# KiCad board aronia.kicad_pcb
title: aronia; date: 2024-08-28; rev: 1; company: Sergei Silnov <po@kumekay.com>
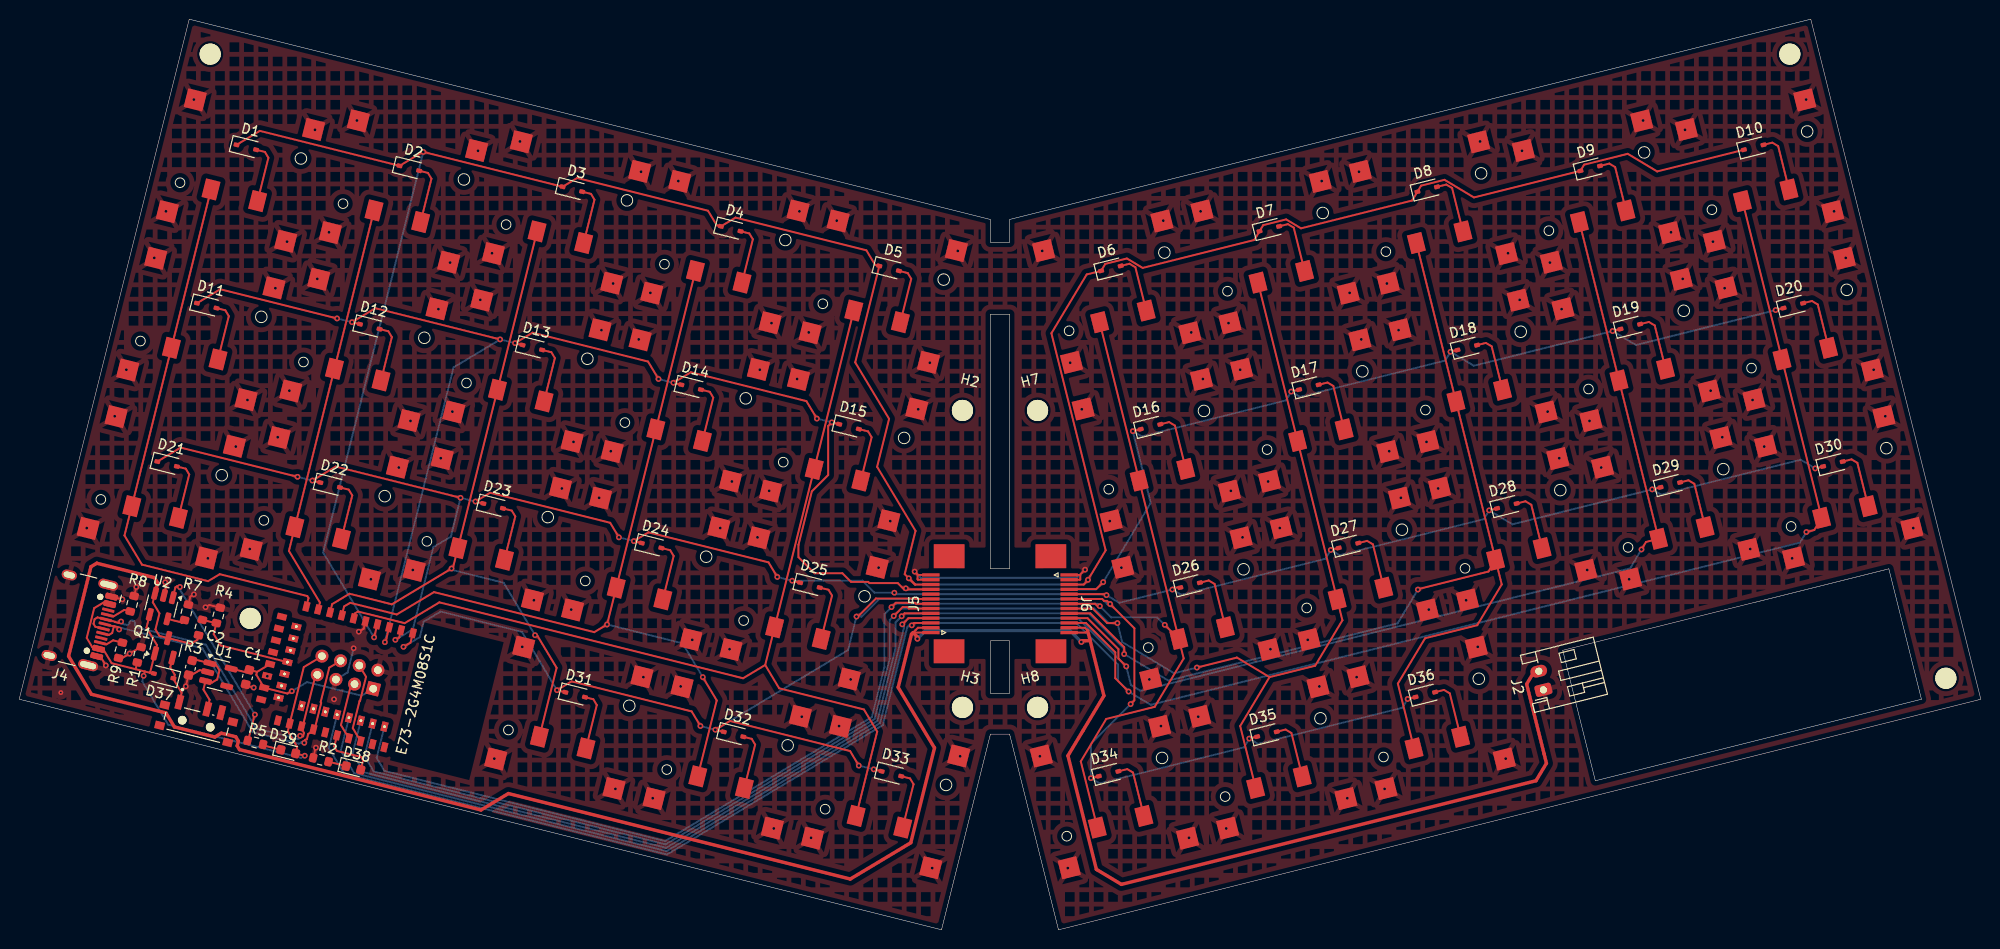
[diagram p0: board, top side]
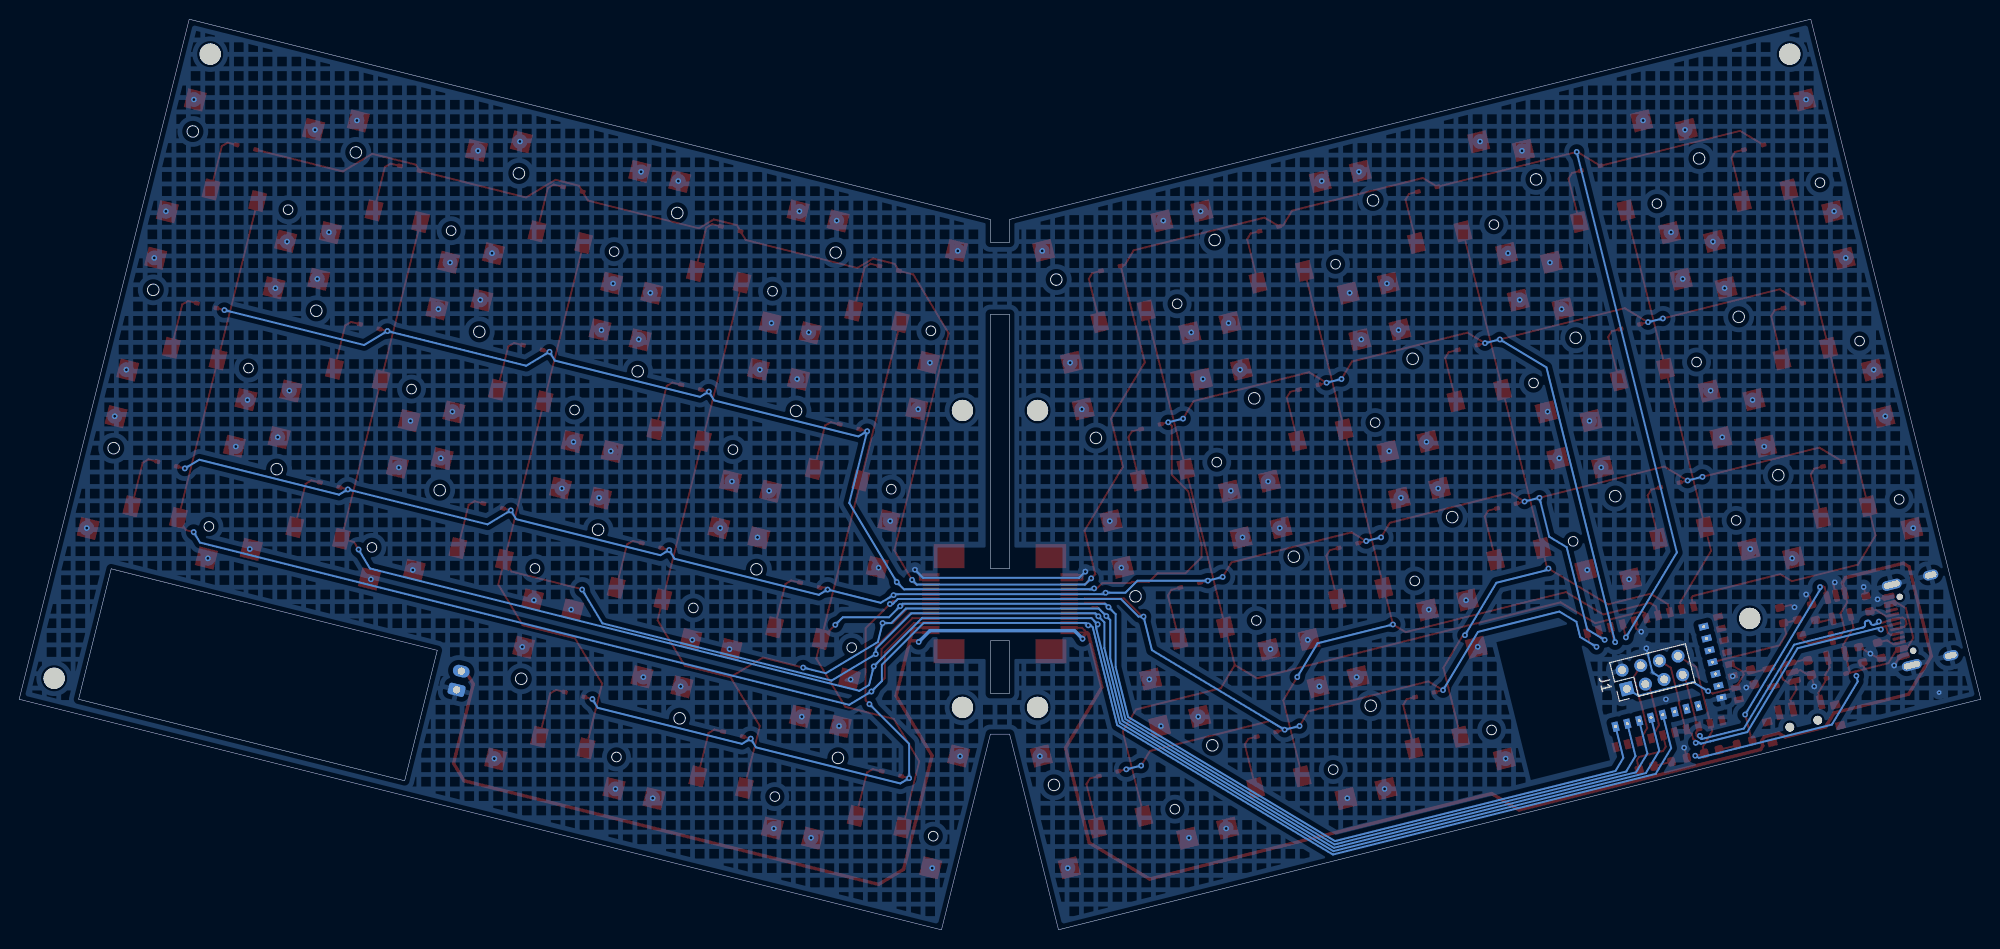
[diagram p1: board, bottom side, seen from below]

Outline 204.27 x 94.83 mm; copper layers: Top, Bottom. Coordinates in mm from the lower left corner of the outline.
Outline path: 101.14,30.11 103.14,30.11 103.14,24.61 101.14,24.61 closed ; 0,24.01 17.71,94.83 101.14,73.97 101.14,71.61 103.14,71.61 103.14,73.97 186.57,94.83 204.27,24.01 108.23,0 103.14,20.37 101.14,20.37 96.04,0 0,24.01 ; 101.14,64.11 101.14,37.61 103.14,37.61 103.14,64.11 101.14,64.11 ; 160.74,29.1 194.69,37.59 198.09,24.01 164.14,15.52 160.74,29.1
Stack: Top 0.035mm / dielectric 1.51mm FR4 er 4.5 / Bottom 0.035mm

## Placement (name value [footprint] x y rotation side)
C1  10uF  [C_0603_1608Metric]  23.77 26.32 256 top
C2  10uF  [C_0603_1608Metric]  17.83 27.29 256 top
D1  D  [D_SOD-323]  23.65 81.49 346 top
D2  D  [D_SOD-323]  40.62 79.31 346 top
D3  D  [D_SOD-323]  57.6 77.13 346 top
D4  D  [D_SOD-323]  74.09 73 346 top
D5  D  [D_SOD-323]  90.59 68.88 346 top
D6  D  [D_SOD-323]  113.69 68.88 14 top
D7  D  [D_SOD-323]  130.18 73 14 top
D8  D  [D_SOD-323]  146.62 77.11 14 top
D9  D  [D_SOD-323]  163.6 79.3 14 top
D10  D  [D_SOD-323]  180.63 81.49 14 top
D11  D  [D_SOD-323]  19.52 65 346 top
D12  D  [D_SOD-323]  36.5 62.82 346 top
D13  D  [D_SOD-323]  53.43 60.65 346 top
D14  D  [D_SOD-323]  69.97 56.51 346 top
D15  D  [D_SOD-323]  86.42 52.4 346 top
D16  D  [D_SOD-323]  117.81 52.39 14 top
D17  D  [D_SOD-323]  134.3 56.51 14 top
D18  D  [D_SOD-323]  150.8 60.63 14 top
D19  D  [D_SOD-323]  167.77 62.82 14 top
D20  D  [D_SOD-323]  184.75 65 14 top
D21  D  [D_SOD-323]  15.4 48.51 346 top
D22  D  [D_SOD-323]  32.38 46.32 346 top
D23  D  [D_SOD-323]  49.36 44.14 346 top
D24  D  [D_SOD-323]  65.85 40.02 346 top
D25  D  [D_SOD-323]  82.34 35.9 346 top
D26  D  [D_SOD-323]  121.93 35.9 14 top
D27  D  [D_SOD-323]  138.43 40.02 14 top
D28  D  [D_SOD-323]  154.92 44.14 14 top
D29  D  [D_SOD-323]  171.94 46.34 14 top
D30  D  [D_SOD-323]  188.87 48.51 14 top
D31  D  [D_SOD-323]  57.89 24.48 346 top
D32  D  [D_SOD-323]  74.39 20.36 346 top
D33  D  [D_SOD-323]  90.83 16.25 346 top
D34  D  [D_SOD-323]  113.45 16.25 14 top
D35  D  [D_SOD-323]  129.94 20.37 14 top
D36  D  [D_SOD-323]  146.43 24.5 14 top
D37  1N5819  [D_SOD-323]  15.04 26.44 166 top
D38  AMBER  [LED_0603_1608Metric]  34.8 16.86 346 top
D39  PURPLE  [LED_0603_1608Metric]  28.01 18.55 346 top
H1  MountingHole  [MountingHole_2.2mm_M2]  19.89 91.19 346 top
H2  MountingHole  [MountingHole_2.2mm_M2]  98.23 54.09 346 top
H3  MountingHole  [MountingHole_2.2mm_M2]  98.23 23.16 346 top
H5  MountingHole  [MountingHole_2.2mm_M2]  24.06 32.43 346 top
H6  MountingHole  [MountingHole_2.2mm_M2]  184.39 91.19 14 top
H7  MountingHole  [MountingHole_2.2mm_M2]  106.05 54.09 14 top
H8  MountingHole  [MountingHole_2.2mm_M2]  106.05 23.16 14 top
H10  MountingHole  [MountingHole_2.2mm_M2]  200.64 26.19 14 top
J1  Conn_02x04_Top_Bottom  [PinHeader_2x04_P2.00mm_Vertical]  36.87 25.1 76 bottom
J2  Conn_01x02  [JST_PH_S2B-PH-K_1x02_P2.00mm_Horizontal]  158.73 24.99 104 top
J4  USB_C_Receptacle_USB2.0_16P  [USB_C_Receptacle_HCTL_HC-TYPE-C-16P-01A]  5.21 32.5 256 top
J5  Conn_01x13  [hanxia-HX0.5-13P-CTXJ-H2.0-119]  96.29 33.95 90 top
J6  Conn_01x13  [hanxia-HX0.5-13P-CTXJ-H2.0-119]  107.99 33.95 270 top
Q1  AO3407  [SOT-23]  15.28 29.47 76 top
R1  100K  [R_0603_1608Metric]  12.5 28.64 76 top
R2  1K  [R_0603_1608Metric]  31.41 17.71 166 top
R3  820K  [R_0603_1608Metric]  18.88 31.48 76 top
R4  2M  [R_0603_1608Metric]  20.74 32.74 76 top
R5  1K  [R_0603_1608Metric]  24.59 19.51 166 top
R7  10K  [R_0603_1608Metric]  17.41 33.06 76 top
R8  5.1K  [R_0603_1608Metric]  11.76 33.95 76 top
R9  5.1K  [R_0603_1608Metric]  10.55 29.1 256 top
SW1  SW_Push  [CPG1316S01D02]  23.04 79.07 346 top
SW2  SW_Push  [CPG1316S01D02]  40.02 76.88 346 top
SW3  SW_Push  [CPG1316S01D02]  57 74.7 346 top
SW4  SW_Push  [CPG1316S01D02]  73.49 70.58 346 top
SW5  SW_Push  [CPG1316S01D02]  89.98 66.45 346 top
SW6  SW_Push  [CPG1316S01D02]  114.29 66.45 14 top
SW7  SW_Push  [CPG1316S01D02]  130.79 70.58 14 top
SW8  SW_Push  [CPG1316S01D02]  147.28 74.7 14 top
SW9  SW_Push  [CPG1316S01D02]  164.26 76.88 14 top
SW10  SW_Push  [CPG1316S01D02]  181.23 79.07 14 top
SW11  SW_Push  [CPG1316S01D02]  18.92 62.57 346 top
SW12  SW_Push  [CPG1316S01D02]  35.9 60.39 346 top
SW13  SW_Push  [CPG1316S01D02]  52.87 58.21 346 top
SW14  SW_Push  [CPG1316S01D02]  69.37 54.09 346 top
SW15  SW_Push  [CPG1316S01D02]  85.86 49.96 346 top
SW16  SW_Push  [CPG1316S01D02]  118.42 49.96 14 top
SW17  SW_Push  [CPG1316S01D02]  134.91 54.09 14 top
SW18  SW_Push  [CPG1316S01D02]  151.4 58.21 14 top
SW19  SW_Push  [CPG1316S01D02]  168.38 60.39 14 top
SW20  SW_Push  [CPG1316S01D02]  185.36 62.57 14 top
SW21  SW_Push  [CPG1316S01D02]  14.79 46.08 346 top
SW22  SW_Push  [CPG1316S01D02]  31.77 43.9 346 top
SW23  SW_Push  [CPG1316S01D02]  48.75 41.72 346 top
SW24  SW_Push  [CPG1316S01D02]  65.24 37.59 346 top
SW25  SW_Push  [CPG1316S01D02]  81.73 33.47 346 top
SW26  SW_Push  [CPG1316S01D02]  122.54 33.47 14 top
SW27  SW_Push  [CPG1316S01D02]  139.03 37.59 14 top
SW28  SW_Push  [CPG1316S01D02]  155.53 41.72 14 top
SW29  SW_Push  [CPG1316S01D02]  172.5 43.9 14 top
SW30  SW_Push  [CPG1316S01D02]  189.48 46.08 14 top
SW31  SW_Push  [CPG1316S01D02]  57.24 22.07 346 top
SW32  SW_Push  [CPG1316S01D02]  73.73 17.95 346 top
SW33  SW_Push  [CPG1316S01D02]  90.22 13.82 346 top
SW34  SW_Push  [CPG1316S01D02]  114.05 13.82 14 top
SW35  SW_Push  [CPG1316S01D02]  130.54 17.95 14 top
SW36  SW_Push  [CPG1316S01D02]  147.04 22.07 14 top
SW37  SW_SPST  [SW_SSSS811101]  18.43 21.46 346 top
U1  XC6220  [SOT-23-5]  20.74 26.56 346 top
U2  TP4054  [SOT-23-5]  14.79 33.71 256 top
U3  E73-2G4M08S1C  [E73-2G4M08S1C-52840]  25.9 28.36 346 top

## Library data of the parts
C1 C2 = -: Description: Unpolarized capacitor; LCSC: C7107636; ki_fp_filters: C_*
D1-D36 = -: Sim.Pins: 1=K 2=A; LCSC: C191023; ki_fp_filters: TO-???* *_Diode_* *SingleDiode* D_*
D37 = -: LCSC: C191023; ki_fp_filters: D*SOD?123*
D38 = -: LCSC: C7371907; ki_fp_filters: LED* LED_SMD:* LED_THT:*
D39 = -: LCSC: C7371898; ki_fp_filters: LED* LED_SMD:* LED_THT:*
H1-H3 H5-H8 H10 = -: Description: Mounting Hole without connection; ki_fp_filters: MountingHole*
J1 = -: Description: Generic connector, double row, 02x04, top/bottom pin numbering scheme (row 1: 1...pins_per_row, row2: pins_per_row+1 ... num_pins), script generated (kicad-library-utils/schlib/autogen/connector/); ki_fp_filters: Connector*:*_2x??_*
J2 = -: ki_fp_filters: Connector*:*_1x??_*
J4 = -: Datasheet: https://www.usb.org/sites/default/files/documents/usb_type-c.zip; Description: USB 2.0-only 16P Type-C Receptacle connector; LCSC: C393939; ki_fp_filters: USB*C*Receptacle*
J5 J6 = -: Description: Generic connector, single row, 01x13, script generated (kicad-library-utils/schlib/autogen/connector/); LCSC: C5691137; ki_fp_filters: Connector*:*_1x??_*
Q1 = -: LCSC: C347478; ki_fp_filters: SOT?23*
R1 = -: LCSC: C25803; ki_fp_filters: R_* R_*
R2 R5 = -: LCSC: C21190; ki_fp_filters: R_* R_*
R3 = -: LCSC: C23252; ki_fp_filters: R_*
R4 = -: LCSC: C22976; ki_fp_filters: R_*
R7 = -: LCSC: C25804; ki_fp_filters: R_* R_*
R8 R9 = -: LCSC: C23186; ki_fp_filters: R_*
SW37 = -: Description: Switch, single pole double throw; LCSC: C109335
U1 = -: Datasheet: https://www.torexsemi.com/file/xc6220/XC6220.pdf; Description: 1A, Low Drop-out Voltage Regulator, Fixed Output 3.3V, SOT-23-5; LCSC: C86534; ki_fp_filters: SOT?23*
U2 = -: Datasheet: http://ww1.microchip.com/downloads/en/DeviceDoc/20001984g.pdf; LCSC: C668215; ki_fp_filters: SOT?23*
U3 = -: LCSC: C356849

## Footprints (pads in the part's own frame, mm; a bottom-side part is the same pattern mirrored in y, then rotated)
C_0603_1608Metric
  rrect 0.9x0.95 smd: 1(-0.775,0) 2(0.775,0)
CPG1316S01D02
  rect 1.55x2 smd: 1(-2.5,-2.65) 2(2.5,-2.65)
  rect 2x2 smd: 3(-6.35,6) 3(-6.35,-6) 3(6.35,6) 3(6.35,-6)
D_SOD-323
  rrect 0.6x0.45 smd: 1(-1.05,0) 2(1.05,0)
E73-2G4M08S1C-52840
  rect 0.65x1 smd: 1(14.03,6.119) 2(12.76,6.119) 3(11.49,6.119) 4(10.22,6.119) 5(8.95,6.119) 6(7.68,6.119) 7(6.41,6.119) 8(5.14,6.119) 9(3.87,6.119) 10(2.6,6.119) 26(2.6,-6.119) 27(3.87,-6.119) 29(5.14,-6.119) 31(6.41,-6.119) 33(7.68,-6.119) 35(8.95,-6.119) 37(10.22,-6.119) 39(11.49,-6.119) 41(12.76,-6.119) 43(14.03,-6.119)
  rect 1x0.65 smd: 11(0.381,4.47) 13(0.381,3.2) 15(0.381,1.93) 17(0.381,0.66) 19(0.381,-0.61) 21(0.381,-1.88) 23(0.381,-3.15) 25(0.381,-4.42)
  rect 1x0.65 hole 0.3: 12(2.092,3.833) 14(2.092,2.563) 16(2.092,1.293) 18(2.092,0.023) 20(2.092,-1.247) 22(2.092,-2.517) 24(2.092,-3.787)
  rect 0.65x1 hole 0.3: 28(4.632,-4.041) 30(5.902,-4.041) 32(7.172,-4.041) 34(8.442,-4.041) 36(9.712,-4.041) 38(10.982,-4.041) 40(12.252,-4.041) 42(13.522,-4.041)
hanxia-HX0.5-13P-CTXJ-H2.0-119
  rect 0.35x1.8 smd: 1(-3,1.35) 2(-2.5,1.35) 3(-2,1.35) 4(-1.5,1.35) 5(-1,1.35) 6(-0.5,1.35) 7(0,1.35) 8(0.5,1.35) 9(1,1.35) 10(1.5,1.35) 11(2,1.35) 12(2.5,1.35) 13(3,1.35)
  rect 2.5x3.2 smd: MP(-4.95,-0.55) MP(4.95,-0.55)
JST_PH_S2B-PH-K_1x02_P2.00mm_Horizontal
  rrect 1.2x1.75 hole 0.75: 1(0,0)
  oval 1.2x1.75 hole 0.75: 2(2,0)
LED_0603_1608Metric
  rrect 0.875x0.95 smd: 1(-0.787,0) 2(0.787,0)
MountingHole_2.2mm_M2
  round 2.2 hole 2.2 unplated: (0,0)
PinHeader_2x04_P2.00mm_Vertical
  rect 1.35x1.35 hole 0.8: 1(0,0)
  oval 1.35x1.35 hole 0.8: 2(2,0) 3(0,-2) 4(2,-2) 5(0,-4) 6(2,-4) 7(0,-6) 8(2,-6)
R_0603_1608Metric
  rrect 0.8x0.95 smd: 1(-0.825,0) 2(0.825,0)
SOT-23
  rrect 1.475x0.6 smd: 1(-0.938,0.95) 2(-0.938,-0.95) 3(0.938,0)
SOT-23-5
  rrect 1.325x0.6 smd: 1(-1.137,0.95) 2(-1.137,0) 3(-1.137,-0.95) 4(1.137,-0.95) 5(1.137,0.95)
SW_SSSS811101
  round 0.9 hole 0.9 unplated: (-1.5,0) (1.5,0)
  rect 0.7x1.5 smd: 1(-2.25,1.75) 2(0.75,1.75) 3(2.25,1.75)
  rect 1x0.8 smd: SH1(-3.65,1.1) SH2(3.65,1.1) SH3(-3.65,-1.1) SH4(3.65,-1.1)
USB_C_Receptacle_HCTL_HC-TYPE-C-16P-01A
  round 0.65 hole 0.65 unplated: (-2.89,2.605) (2.89,2.605)
  rrect 0.6x1.3 smd: A1(-3.2,3.745) A4(-2.4,3.745) A9(2.4,3.745) A12(3.2,3.745) B1(3.2,3.745) B4(2.4,3.745) B9(-2.4,3.745) B12(-3.2,3.745)
  rrect 0.3x1.3 smd: A5(-1.25,3.745) A6(-0.25,3.745) A7(0.25,3.745) A8(1.25,3.745) B5(1.75,3.745) B6(0.75,3.745) B7(-0.75,3.745) B8(-1.75,3.745)
  oval 1x2.1 hole 0.6x1.7: S1(-4.32,3.105) S1(4.32,3.105)
  oval 1x1.6 hole 0.6x1.2: S1(-4.32,-1.075) S1(4.32,-1.075)

## Nets
GND: C1.2 C2.2 J1.2 J1.5 J2.1 J4.A1 J4.A12 J4.B1 J4.B12 J4.S1 J5.12 J5.13 J6.1 J6.2 R1.2 R2.2 R4.2 R7.2 R8.2 R9.2 SW1.3 SW2.3 SW3.3 SW4.3 SW5.3 SW6.3 SW7.3 SW8.3 SW9.3 SW10.3 SW11.3 SW12.3 SW13.3 SW14.3 SW15.3 SW16.3 SW17.3 SW18.3 SW19.3 SW20.3 SW21.3 SW22.3 SW23.3 SW24.3 SW25.3 SW26.3 SW27.3 SW28.3 SW29.3 SW30.3 SW31.3 SW32.3 SW33.3 SW34.3 SW35.3 SW36.3 U1.2 U2.2 U3.5 U3.21 U3.24
VBAT: J2.2 J5.1 J5.2 J6.12 J6.13 Q1.3 R3.1 U2.3
VBUS: D37.2 D39.2 J1.8 J4.A4 J4.A9 J4.B4 J4.B9 Q1.1 R1.1 U2.4 U3.27
/P0.00: U3.11
/P0.01: U3.13
/P0.06: U3.14
/P0.07: U3.22
/P0.08: U3.16
/P0.09: U3.41
/P0.10: U3.43
/P0.12: U3.20
/P0.13: U3.33
/P0.15: U3.28
/P0.17: U3.30
/P0.20: U3.32
/P0.26: U3.12
/P1.09: U3.17
AMBER_LED: D38.2 U3.35
BATTERY_PIN: R3.2 R4.1 U3.18
C0: SW1.1 SW11.1 SW21.1 U3.10
C1: SW2.1 SW12.1 SW22.1 U3.9
C2: SW3.1 SW13.1 SW23.1 SW31.1 U3.8
C3: SW4.1 SW14.1 SW24.1 SW32.1 U3.7
C4: SW5.1 SW15.1 SW25.1 SW33.1 U3.6
C5: J5.7 J6.7 SW6.1 SW16.1 SW26.1 SW34.1 U3.42
C6: J5.6 J6.8 SW7.1 SW17.1 SW27.1 SW35.1 U3.40
C7: J5.5 J6.9 SW8.1 SW18.1 SW28.1 SW36.1 U3.38
C8: J5.4 J6.10 SW9.1 SW19.1 SW29.1 U3.36
C9: J5.3 J6.11 SW10.1 SW20.1 SW30.1 U3.34
CC1: J4.A5 R8.1
CC2: J4.B5 R9.1
DATA+: J1.6 J4.A6 J4.B6 U3.31
DATA-: J1.7 J4.A7 J4.B7 U3.29
DCCH: U3.25
nRF_VDD: C1.1 J1.1 U1.5 U3.19 U3.23
PROG: U3.15
R0: D1.1 D2.1 D3.1 D4.1 D5.1 D6.1 D7.1 D8.1 D9.1 D10.1 J5.11 J6.3 U3.4
R1: D11.1 D12.1 D13.1 D14.1 D15.1 D16.1 D17.1 D18.1 D19.1 D20.1 J5.10 J6.4 U3.3
R2: D21.1 D22.1 D23.1 D24.1 D25.1 D26.1 D27.1 D28.1 D29.1 D30.1 J5.9 J6.5 U3.2
R3: D31.1 D32.1 D33.1 D34.1 D35.1 D36.1 J5.8 J6.6 U3.1
RESET: U3.26
SWC: J1.4 U3.39
SWD: J1.3 U3.37
Net-(D1-A): D1.2 SW1.2
Net-(D2-A): D2.2 SW2.2
Net-(D3-A): D3.2 SW3.2
Net-(D4-A): D4.2 SW4.2
Net-(D5-A): D5.2 SW5.2
Net-(D6-A): D6.2 SW6.2
Net-(D7-A): D7.2 SW7.2
Net-(D8-A): D8.2 SW8.2
Net-(D9-A): D9.2 SW9.2
Net-(D10-A): D10.2 SW10.2
Net-(D11-A): D11.2 SW11.2
Net-(D12-A): D12.2 SW12.2
Net-(D13-A): D13.2 SW13.2
Net-(D14-A): D14.2 SW14.2
Net-(D15-A): D15.2 SW15.2
Net-(D16-A): D16.2 SW16.2
Net-(D17-A): D17.2 SW17.2
Net-(D18-A): D18.2 SW18.2
Net-(D19-A): D19.2 SW19.2
Net-(D20-A): D20.2 SW20.2
Net-(D21-A): D21.2 SW21.2
Net-(D22-A): D22.2 SW22.2
Net-(D23-A): D23.2 SW23.2
Net-(D24-A): D24.2 SW24.2
Net-(D25-A): D25.2 SW25.2
Net-(D26-A): D26.2 SW26.2
Net-(D27-A): D27.2 SW27.2
Net-(D28-A): D28.2 SW28.2
Net-(D29-A): D29.2 SW29.2
Net-(D30-A): D30.2 SW30.2
Net-(D31-A): D31.2 SW31.2
Net-(D32-A): D32.2 SW32.2
Net-(D33-A): D33.2 SW33.2
Net-(D34-A): D34.2 SW34.2
Net-(D35-A): D35.2 SW35.2
Net-(D36-A): D36.2 SW36.2
Net-(D37-K): D37.1 Q1.2 SW37.1
Net-(D38-K): D38.1 R2.1
Net-(D39-K): D39.1 R5.1
Net-(SW37-B): C2.1 SW37.2 U1.1 U1.3
Net-(U2-PROG): R7.1 U2.5
Net-(U2-STAT): R5.2 U2.1

Pads without a net: J4 A8 B8; J5 MP; J6 MP; SW37 3 SH1 SH2 SH3 SH4; U1 4

## Via types
v1: diameter 0.6, hole 0.3, Top to Bottom, 238 vias
v2: diameter 0.5, hole 0.2, Top to Bottom, 1 via

## Routing (per net, layer and track width the routed paths; a pad name or vN(x,y) marks a point on that pad's centre or on a via; arc(x,y) is an arc through that point)
GND: length 49
  Top w0.2: U2.2 15.35,35.94 v1(15.21,36.19) ; v1(17.34,25.34) C2.2 17.86,26.48 18.8,27.04 U1.2 ; J4.A1 v1(10.74,34.42) ; 93.55,37.01 93.6,36.96 J5.13 ; 93.55,37.01 93.55,36.51 93.6,36.46 J5.12 ; 93.55,37.01 v1(93.25,37.31) ; v1(30.9,18.97) 30.87,18.95 R2.2 ; J6.1 110.45,36.96 ; 110.45,36.96 v1(111,37.51) ; 110.45,36.96 110.5,36.91 110.5,36.51 110.45,36.46 J6.2 ; C1.2 23.67,25.41 v1(24.42,25.22) ; v1(35.36,31.04) 35.87,31.35 U3.5 ; v1(9.02,27.53) 8.51,28.38 J4.A12 ; v1(18.19,34.93) 17.83,34.71 R7.2 ; R1.2 12.65,29.46 v1(11.5,28.76) 10.62,28.24 R9.2 ; v1(19.4,33.59) 19.8,33.83 R4.2 ; R8.2 v1(12.2,35.7)
  Top w0.35: SW21.3 v1(19.65,38.68) ; SW21.3 v1(7.03,41.84) ; SW21.3 v1(22.56,50.33) ; SW1.3 v1(27.89,71.67) ; SW11.3 v1(14.07,69.97) ; SW1.3 v1(18.19,86.46) ; SW11.3 v1(11.16,58.33) ; SW1.3 v1(30.8,83.31) ; SW11.3 v1(26.68,66.82) ; SW11.3 v1(23.77,55.18) ; SW1.3 v1(15.28,74.82) ; SW21.3 v1(9.94,53.48)
  Bottom w0.2: v1(111,37.51) 110.15,36.66 93.9,36.66 v1(93.25,37.31) ; J1.5 34.2,26.8 v1(34.83,29.32)
  vias: v1(24.01,39.65) v1(25.84,26.41) v1(26.92,51.3) v1(28.13,56.15) v1(31.04,67.79) v1(32.26,72.64) v1(32.79,24.01) v1(35.17,84.28) v1(36.62,36.5) v1(39.53,48.14) v1(40.75,52.99) v1(40.99,37.47) v1(43.66,64.64) v1(43.9,49.11) v1(44.87,69.49) v1(45.11,53.96) v1(47.78,81.13) v1(48.02,65.61) v1(49.23,70.46) v1(49.48,17.83) v1(52.15,82.1) v1(52.39,29.47) v1(53.6,34.32) v1(56.51,45.96) v1(57.48,33.35) v1(57.72,50.81) v1(60.39,44.99) v1(60.63,62.45) v1(61.6,49.84) v1(61.85,67.3) v1(62.09,14.67) v1(64.51,61.48) v1(64.76,78.95) v1(65,26.32) v1(65.73,66.33) v1(65.97,13.7) v1(68.64,77.98) v1(68.88,25.34) v1(70.09,30.2) v1(73,41.84) v1(73.97,29.23) v1(74.22,46.69) v1(76.88,40.87) v1(77.13,58.33) v1(78.1,45.72) v1(78.34,63.18) v1(78.58,10.55) v1(81.01,57.36) v1(81.25,74.82) v1(81.49,22.19) v1(82.22,62.21) v1(82.46,9.58) v1(85.13,73.85) v1(85.37,21.22) v1(86.59,26.07) v1(89.5,37.71) v1(90.71,42.56) v1(93.62,54.21) v1(94.83,59.06) v1(95.07,6.43) v1(97.74,70.7) v1(97.98,18.07) v1(106.29,18.07) v1(106.53,70.7) v1(109.2,6.43) v1(109.44,59.06) v1(110.66,54.21) v1(113.57,42.56) v1(114.78,37.71) v1(117.69,26.07) v1(118.9,21.22) v1(119.14,73.85) v1(121.81,9.58) v1(122.06,62.21) v1(122.78,22.19) v1(123.03,74.82) v1(123.27,57.36) v1(125.69,10.55) v1(125.94,63.18) v1(126.18,45.72) v1(127.15,58.33) v1(127.39,40.87) v1(130.06,46.69) v1(130.3,29.23) v1(131.27,41.84) v1(134.18,30.2) v1(135.39,25.34) v1(135.64,77.98) v1(138.31,13.7) v1(138.55,66.33) v1(139.28,26.32) v1(139.52,78.95) v1(139.76,61.48) v1(142.19,14.67) v1(142.43,67.3) v1(142.67,49.84) v1(143.64,62.45) v1(143.88,44.99) v1(146.55,50.81) v1(146.79,33.35) v1(147.76,45.96) v1(150.67,34.32) v1(151.89,29.47) v1(152.13,82.1) v1(154.8,17.83) v1(155.04,70.46) v1(156.25,65.61) v1(156.5,81.13) v1(159.16,53.96) v1(159.41,69.49) v1(160.38,49.11) v1(160.62,64.64) v1(163.29,37.47) v1(163.53,52.99) v1(164.74,48.14) v1(167.65,36.5) v1(169.11,84.28) v1(172.02,72.64) v1(173.23,67.79) v1(173.47,83.31) v1(176.14,56.15) v1(176.38,71.67) v1(177.35,51.3) v1(177.6,66.82) v1(180.26,39.65) v1(180.51,55.18) v1(181.72,50.33) v1(184.63,38.68) v1(186.08,86.46) v1(189,74.82) v1(190.21,69.97) v1(193.12,58.33) v1(194.33,53.48) v1(197.24,41.84) v2(4.34,24.71)
VBAT: length 261.6
  Top w0.2: J6.13 111.05,30.96 111.26,31.17 110.97,31.46 J6.12 ; U2.3 13.91,34.1 14.6,32.95 14.19,31.29 14.6,30.6 Q1.3 17.87,29.79 18.55,30.2 R3.1 ; 92.92,30.78 93.59,31.46 J5.2 ; v1(110.61,29.97) 110.74,30.11 ; 93.09,30.95 93.09,30.96 J5.1 ; 93.54,30.51 v1(93.54,30.31)
  Top w0.35: 93.09,30.96 92.92,30.78 91.53,25.25 95.32,18.94 92.85,9.07 86.54,5.29 50.94,14.19 48.09,12.48 22.94,18.77 22.7,19.16 22.82,19.65 22.55,20.1 21.05,20.48 20.37,20.07 16.16,21.13 15.29,22.59 7.52,24.53 5.14,28.5 7.47,37.81 8.08,38.18 14.09,36.67 14.42,36.13 U2.3 ; 110.74,30.11 111.53,30.11 ; 111.53,30.11 111.26,31.17 ; 111.53,30.11 112.96,24.37 109.21,18.13 112.17,6.29 114.78,4.73 157.95,15.52 159.04,17.34 156.98,25.59 157.71,26.8 J2.2 ; 93.09,30.95 93.54,30.51
  Bottom w0.35: v1(110.61,29.97) 109.43,31.16 94.39,31.16 v1(93.54,30.31)
VBUS: length 54.4
  Top w0.2: J1.8 29.64,27.36 U3.27 27.97,20.69 28.95,19.05 D39.2 29.73,18.13 v1(29.74,18.13) ; 12.12,27.14 9.62,27.76 8.8,29.13 J4.A9 7.62,29.43 7.03,30.4 7.81,33.5 8.78,34.08 J4.A4 ; 12.12,27.14 13.07,26.9 ; 12.12,27.14 R1.1 ; 13.61,26.79 13.58,26.78 13.07,26.9 ; 13.61,26.79 13.97,26.7 ; 13.61,26.79 13.64,26.81 Q1.1 14.35,29.65 13.25,31.47 U2.4 ; 13.07,26.9 v1(12.96,26.45)
  Bottom w0.2: v1(12.96,26.45) 12.81,25.87 15.51,21.37 29.36,17.9 v1(29.74,18.13)
AMBER_LED: length 5.8
  Top w0.2: D38.2 35.81,17.65 35.6,18 33.08,18.63 32.81,19.09 U3.35
BATTERY_PIN: length 11.3
  Top w0.2: R3.2 20.51,31.92 R4.1 20.25,30.8 20.96,29.62 U3.18
C0: length 59.8
  Top w0.2: SW1.1 SW11.1 SW21.1 10.96,41.06 12.78,38.03 19.67,36.31 20.88,37.04 30,34.76 30.13,34.55 U3.10
C1: length 43.6
  Top w0.2: SW2.1 SW12.1 SW22.1 28.09,39.46 31.32,34.08 U3.9
C2: length 74.7
  Top w0.2: U3.8 32.59,33.91 34.39,35 38.81,33.89 v1(45.02,37.62) 45.17,37.71 SW23.1 SW13.1 SW3.1 ; v1(53.72,30.68) 53.96,30.62 55.97,27.29 SW31.1
  Bottom w0.2: v1(53.72,30.68) 50.45,36.14 45.11,37.47 v1(45.02,37.62)
C3: length 91.1
  Top w0.2: U3.7 33.83,33.67 34.46,34.05 39.32,32.84 43.2,35.17 59.88,31 v1(61.22,31.8) SW24.1 SW14.1 SW4.1 ; SW32.1 72.64,23.89 v1(71.18,26.32)
  Bottom w0.2: v1(71.18,26.32) 69.07,29.83 v1(61.22,31.8)
C4: length 107.1
  Top w0.2: 77.68,27.58 79.14,25.15 87.97,22.94 89.35,20.64 SW33.1 ; 77.68,27.58 75.38,26.19 43.75,34.1 40.14,31.93 35.29,33.14 34.96,32.95 U3.6 ; 77.68,27.58 SW25.1 SW15.1 SW5.1
C5: length 170.8
  Top w0.2: v1(90.84,33.61) 91.29,34.06 93.3,34.06 93.4,33.96 J5.7 ; SW6.1 SW16.1 SW26.1 ; v1(119.29,31.76) SW26.1 ; SW26.1 121.27,28.26 118.25,23.22 113.2,21.96 110.55,17.54 SW34.1 ; v1(112.54,33.71) 112.43,33.61 112.4,33.61 112.05,33.96 J6.7
  Bottom w0.2: U3.42 37.22,17.91 38.04,16.54 67.26,9.24 88.79,22.16 90.09,27.36 90.09,32.86 v1(90.84,33.61) 91.19,33.96 112.29,33.96 v1(112.54,33.71) 113.7,32.54 118.51,32.54 v1(119.29,31.76)
C6: length 185.7
  Top w0.2: J5.6 92.65,33.46 92.5,33.61 92,33.61 v1(91.07,32.67) ; v1(122.64,27.31) 126.81,28.35 130.2,26.32 ; SW35.1 127.15,21.22 130.2,26.32 ; SW7.1 SW17.1 SW27.1 137.8,32.23 134.96,27.5 130.2,26.32 ; v1(114.37,31.94) 113.3,31.94 111.78,33.46 J6.8
  Bottom w0.2: 36.8,21.47 35.96,18.09 36.92,16.49 67.31,8.89 89.08,21.95 90.65,28.25 90.65,32.26 v1(91.07,32.67) 91.85,33.46 111.94,33.46 113.45,31.94 v1(114.37,31.94) 114.86,29.97 120.27,26.72 v1(122.64,27.31)
C7: length 214.5
  Top w0.2: J6.9 111.55,32.96 115.07,29.43 v1(115.07,28.72) ; SW28.1 153.01,37.31 145.68,35.48 v1(145.65,35.43) ; SW28.1 SW18.1 SW8.1 ; SW28.1 154.39,35.97 151.84,31.72 146.41,30.37 143.57,25.64 SW36.1 ; v1(91.89,32.65) 92.2,32.96 J5.5
  Bottom w0.2: U3.38 34.72,18.37 35.9,16.4 67.36,8.54 89.36,21.74 91.26,29.34 91.26,32.02 v1(91.89,32.65) 92.2,32.96 111.38,32.96 115.07,29.26 v1(115.07,28.72) 119.68,25.95 143.54,31.92 v1(145.65,35.43)
C8: length 208.2
  Top w0.2: v1(91.96,31.81) 92.61,32.46 J5.4 ; SW9.1 SW19.1 SW29.1 169.41,40.39 v1(168.94,39.61) ; J6.10 111.25,32.46 114.47,29.23 114.47,28.25 v1(115.29,27.43)
  Bottom w0.2: v1(168.94,39.61) 167.75,37.63 116.78,24.89 115.77,25.49 v1(115.29,27.43) 110.26,32.46 92.61,32.46 v1(91.96,31.81) 92.14,31.63 92.14,31.49 89.65,21.53 67.41,8.19 34.88,16.32 33.48,18.65 U3.36
C9: length 228.1
  Top w0.2: v1(115.53,24.81) 114.14,26.2 114.14,28.89 111.08,31.96 J6.11 ; v1(92.95,31.71) 93.2,31.96 J5.3 ; SW10.1 SW20.1 SW30.1 186.93,41.63 v1(186.11,41.43)
  Bottom w0.2: U3.34 32.24,18.93 33.85,16.24 67.46,7.84 89.93,21.32 92.48,31.51 92.68,31.71 v1(92.95,31.71) 93.2,31.96 110.09,31.96 114.44,27.61 114.44,25.9 v1(115.53,24.81) 117.84,23.43 185.45,40.33 v1(186.11,41.43)
CC1: length 2.6
  Top w0.2: R8.1 10.93,33.31 9.81,32.64 J4.A5
CC2: length 2.5
  Top w0.2: R9.1 9.78,30.15 9.09,29.73 J4.B5
DATA+: length 38.2
  Top w0.2: 9.85,31.6 J4.A6 8.94,31.85 ; 9.85,31.6 9.68,30.91 9.33,30.7 J4.B6 ; 9.85,31.6 9.88,31.62 10.26,31.52 v1(10.41,31.28) ; v1(29.69,19.47) 29.76,19.75 29.96,19.87 30.09,20.4 30.59,20.7 U3.31 30.78,20.96 31.45,23.63 31.39,23.72 32.29,27.3 J1.6
  Bottom w0.2: v1(29.69,19.47) 29.41,19.54 29.14,19.38 24.32,20.59 19.08,29.32 10.65,31.42 v1(10.41,31.28)
DATA-: length 37
  Top w0.2: J4.B7 8.16,32.54 7.86,32.35 7.74,31.87 7.92,31.57 J4.A7 ; J4.B7 9.98,32.08 9.99,32.05 10.37,31.96 v1(10.61,32.1) ; J4.B7 9.05,32.29 ; v1(29.25,20.2) 29.52,20.14 29.57,20.16 29.66,20.51 29.36,21.01 U3.29 29.54,21.26 30.84,26.43 J1.7
  Bottom w0.2: v1(10.61,32.1) 10.76,31.86 11.18,31.76 arc(11.36,31.78) 11.47,31.93 11.49,32.03 arc(11.6,32.18) 11.78,32.2 11.9,32.17 arc(12.05,32.06) 12.08,31.88 12.05,31.79 arc(12.08,31.6) 12.23,31.49 19.43,29.69 24.67,20.96 29.07,19.86 29.18,19.93 v1(29.25,20.2)
nRF_VDD: length 18.4
  Top w0.2: v1(28.39,24.85) 28.36,24.86 27.93,24.6 U3.23 24.69,26.56 24.77,26.86 ; U1.5 23.56,26.83 C1.1 24.77,26.86 ; 24.77,26.86 U3.19
  Bottom w0.2: J1.1 35.65,24.37 29.97,25.8 v1(28.39,24.85)
R0: length 294.9
  Top w0.2: J6.3 110.86,35.96 111.21,36.31 v1(111.3,36.45) 113.14,39.52 107.49,62.13 111.17,68.25 D6.1 113.11,69.35 115.35,69.91 116.99,68.93 128.61,71.84 D7.1 129.54,73.39 131.93,73.98 133.48,73.05 145.06,75.95 D8.1 145.99,77.5 148.42,78.11 151.49,76.27 D9.1 162.96,79.68 167.51,80.81 170.57,78.98 D10.1 ; 93.29,35.96 93.29,35.96 v1(92.64,36.61) ; 93.29,35.96 92.21,37.04 93.34,41.55 89.34,48.22 90.59,53.21 87.06,59.09 D5.1 89.13,69.24 88.22,70.76 74.59,74.17 D4.1 72.64,73.37 71.73,74.89 58.1,78.29 D3.1 v1(42.08,81.01) 42.03,81.02 D2.1 25.05,83.2 D1.1 ; 93.29,35.96 J5.11 ; v1(36.96,30.45) U3.4
  Bottom w0.2: v1(42.08,81.01) 31.65,39.29 v1(36.96,30.45) ; v1(92.64,36.61) 93.29,35.96 110.81,35.96 v1(111.3,36.45)
R1: length 259
  Top w0.2: 92.14,35.46 92.24,35.46 v1(92.33,35.56) ; 92.14,35.46 92.33,35.46 ; 92.14,35.46 91.49,36.11 88.54,36.11 88.41,36.23 86.62,36.23 85.72,37.13 82.82,37.13 81.15,38.81 81.15,40.09 82.54,45.66 84.25,47.36 84.25,52.47 v1(84.62,52.85) D15.1 ; U3.3 38.15,30 v1(38.08,29.95) ; v1(50.08,61.48) 37.08,64.73 v1(34.66,63.28) D12.1 ; v1(149.05,60.2) D18.1 ; D14.1 v1(68.13,56.97) 69.95,58.06 81.98,55.06 v1(83.07,53.24) ; v1(33.11,63.67) 20.93,66.71 D11.1 ; v1(132.46,56.05) D17.1 ; v1(112.89,36.21) 112.16,35.48 109.36,35.48 J6.4 ; D20.1 v1(182.91,64.54) ; v1(165.93,62.36) D19.1 ; 92.33,35.47 92.35,35.46 J5.10 ; v1(66.58,57.36) 65.48,59.18 53.45,62.19 v1(51.64,61.09) D13.1 ; v1(115.97,51.93) D16.1
  Bottom w0.2: v1(92.33,35.56) 92.43,35.46 112.13,35.46 v1(112.89,36.21) 117.84,44.46 v1(115.97,51.93) 116.88,51.38 131.91,55.14 v1(132.46,56.05) 133.37,55.5 148.5,59.28 v1(149.05,60.2) 151.47,58.74 v1(165.93,62.36) 168.36,60.9 v1(182.91,64.54) ; v1(83.07,53.24) v1(84.62,52.85) ; v1(33.11,63.67) v1(34.66,63.28) ; v1(51.64,61.09) v1(50.08,61.48) 45.23,58.57 v1(38.08,29.95) ; v1(66.58,57.36) v1(68.13,56.97)
R2: length 212.6
  Top w0.2: v1(78.95,36.74) 78.03,38.26 65.52,41.39 v1(64.01,40.48) D24.1 ; v1(62.45,40.87) 61.54,42.39 49.03,45.51 v1(47.51,44.6) D23.1 ; D22.1 v1(30.54,46.79) 32.96,48.24 v1(45.96,44.99) ; v1(28.98,47.17) 16.81,50.22 D21.1 ; v1(136.58,39.56) D27.1 ; v1(113.23,34.85) 113.12,34.96 J6.5 ; v1(170.05,45.86) D29.1 ; v1(39.17,30.2) 39.57,30.44 U3.2 ; v1(80.5,36.36) D25.1 ; v1(153.08,43.68) D28.1 ; D26.1 120.3,35.64 v1(120.09,35.43) ; D30.1 v1(187.03,48.05)
  Bottom w0.2: v1(28.98,47.17) v1(30.54,46.79) ; v1(62.45,40.87) v1(64.01,40.48) ; v1(39.17,30.2) 40.99,31.29 43.13,39.85 44.95,40.94 v1(45.96,44.99) v1(47.51,44.6) ; v1(78.95,36.74) v1(80.5,36.36) 87.82,36.36 89.07,35.11 v1(91.14,35.11) 91.29,34.96 113.12,34.96 v1(113.23,34.85) 114.56,34.05 v1(120.09,35.43) 121,34.89 136.04,38.65 v1(136.58,39.56) 137.5,39.01 152.53,42.77 v1(153.08,43.68) 155.5,42.23 v1(170.05,45.86) 170.97,45.32 185.52,48.95 v1(187.03,48.05)
R3: length 181.1
  Top w0.2: v1(111.6,15.79) D34.1 ; J5.8 93.36,34.46 93.31,34.51 89.22,34.51 87.34,32.62 v1(87.19,32.62) ; v1(87.43,17.1) 86.52,18.62 74.01,21.75 v1(72.49,20.83) D32.1 ; J6.6 112.77,34.46 112.98,34.25 113.28,34.25 v1(113.6,33.93) 116.13,31.4 116.13,23.9 v1(115.74,23.51) ; D36.1 v1(144.59,24.04) ; D31.1 v1(56,24.96) 57.52,25.87 70.03,22.74 v1(70.94,21.22) ; v1(88.99,16.71) D33.1 ; v1(128.09,19.91) D35.1 ; U3.1 40.75,29.9 v1(40.02,29.47)
  Bottom w0.2: v1(40.02,29.47) 41.72,30.49 42.11,32.08 43.88,33.14 52.36,31.02 v1(56,24.96) ; v1(115.74,23.51) 111.6,19.37 v1(111.6,15.79) 112.51,15.24 127.55,19 v1(128.09,19.91) 129.01,19.36 144.04,23.12 v1(144.59,24.04) ; v1(113.6,33.93) 113.3,33.93 112.78,34.46 89.55,34.46 87.72,32.62 v1(87.19,32.62) 86.32,29.13 v1(72.49,20.83) v1(70.94,21.22) ; v1(87.43,17.1) v1(88.99,16.71)
SWC: length 8.5
  Top w0.2: U3.39 34.74,21.01 35.44,23.82 35.5,23.86 36.12,26.35 J1.4
SWD: length 6.2
  Top w0.2: U3.37 33.5,21.32 34.51,25.34 J1.3
Net-(D1-A): length 6.3
  Top w0.2: D1.2 25.59,81.01 25.95,80.4 SW1.2
Net-(D2-A): length 6.3
  Top w0.2: D2.2 42.56,78.82 42.93,78.22 SW2.2
Net-(D3-A): length 6.3
  Top w0.2: D3.2 59.54,76.64 59.91,76.03 SW3.2
Net-(D4-A): length 6.3
  Top w0.2: SW4.2 76.4,71.91 76.03,72.52 D4.2
Net-(D5-A): length 6.3
  Top w0.2: SW5.2 92.89,67.79 92.53,68.4 D5.2
Net-(D6-A): length 6.3
  Top w0.2: SW6.2 116.23,69 115.63,69.37 D6.2
Net-(D7-A): length 6.3
  Top w0.2: SW7.2 132.73,73.12 132.12,73.49 D7.2
Net-(D8-A): length 6.4
  Top w0.2: D8.2 148.61,77.61 149.22,77.25 SW8.2
Net-(D9-A): length 6.4
  Top w0.2: SW9.2 166.2,79.43 165.59,79.79 D9.2
Net-(D10-A): length 6.3
  Top w0.2: SW10.2 183.17,81.61 182.57,81.98 D10.2
Net-(D11-A): length 6.3
  Top w0.2: SW11.2 21.83,63.91 21.46,64.51 D11.2
Net-(D12-A): length 6.3
  Top w0.2: SW12.2 38.81,61.73 38.44,62.33 D12.2
Net-(D13-A): length 6.4
  Top w0.2: D13.2 55.42,60.15 55.78,59.54 SW13.2
Net-(D14-A): length 6.3
  Top w0.2: SW14.2 72.28,55.42 71.91,56.03 D14.2
Net-(D15-A): length 6.4
  Top w0.2: D15.2 88.4,51.9 88.77,51.3 SW15.2
Net-(D16-A): length 6.3
  Top w0.2: D16.2 119.75,52.87 120.36,52.51 SW16.2
Net-(D17-A): length 6.3
  Top w0.2: D17.2 136.24,57 136.85,56.63 SW17.2
Net-(D18-A): length 6.3
  Top w0.2: D18.2 152.74,61.12 153.34,60.76 SW18.2
Net-(D19-A): length 6.3
  Top w0.2: D19.2 169.71,63.3 170.32,62.94 SW19.2
Net-(D20-A): length 6.3
  Top w0.2: D20.2 186.69,65.48 187.3,65.12 SW20.2
Net-(D21-A): length 6.3
  Top w0.2: SW21.2 17.71,47.42 17.34,48.02 D21.2
Net-(D22-A): length 6.3
  Top w0.2: SW22.2 34.68,45.23 34.32,45.84 D22.2
Net-(D23-A): length 6.3
  Top w0.2: SW23.2 51.66,43.05 51.3,43.66 D23.2
Net-(D24-A): length 6.3
  Top w0.2: SW24.2 68.15,38.93 67.79,39.53 D24.2
Net-(D25-A): length 6.3
  Top w0.2: SW25.2 84.64,34.8 84.28,35.41 D25.2
Net-(D26-A): length 6.3
  Top w0.2: SW26.2 124.48,36.02 123.87,36.38 D26.2
Net-(D27-A): length 6.3
  Top w0.2: D27.2 140.37,40.5 140.97,40.14 SW27.2
Net-(D28-A): length 6.3
  Top w0.2: SW28.2 157.47,44.26 156.86,44.63 D28.2
Net-(D29-A): length 6.3
  Top w0.2: D29.2 173.84,46.81 174.44,46.45 SW29.2
Net-(D30-A): length 6.3
  Top w0.2: D30.2 190.81,48.99 191.42,48.63 SW30.2
Net-(D31-A): length 6.3
  Top w0.2: D31.2 59.79,24.01 60.15,23.4 SW31.2
Net-(D32-A): length 6.3
  Top w0.2: SW32.2 76.64,19.28 76.28,19.89 D32.2
Net-(D33-A): length 6.3
  Top w0.2: D33.2 92.77,15.76 93.13,15.16 SW33.2
Net-(D34-A): length 6.3
  Top w0.2: D34.2 115.39,16.73 115.99,16.37 SW34.2
Net-(D35-A): length 6.3
  Top w0.2: SW35.2 132.48,20.49 131.88,20.86 D35.2
Net-(D36-A): length 6.3
  Top w0.2: SW36.2 148.98,24.62 148.37,24.98 D36.2
Net-(D37-K): length 5.1
  Top w0.2: Q1.2 15.73,27.35 16.2,26.56 16.08,26.07 16.92,24.68 SW37.1
Net-(D38-K): length 1.9
  Top w0.2: R2.1 D38.1
Net-(D39-K): length 1.9
  Top w0.2: 25.42,19.2 D39.1
Net-(SW37-B): length 8.7
  Top w0.2: C2.1 18.23,28.16 U1.1 20.51,27.59 20.85,27.02 20.62,26.07 20.07,25.75 U1.3 19.18,25.03 19.83,23.95 SW37.2
Net-(U2-PROG): length 1.6
  Top w0.2: U2.5 16.88,32.02 16.93,31.94 16.94,31.99
Net-(U2-STAT): length 20
  Top w0.2: U2.1 16.26,35.66 16.44,35.77 v1(16.73,35.7) ; 23.82,19.6 24.51,22.39 v1(24.54,22.41)
  Bottom w0.2: v1(16.73,35.7) 16.69,35.51 v1(24.54,22.41)

## Copper pours and planes (outline as drawn; the poured copper is in the pictures)
GND on Top, Bottom: -34.49,115.57 215.51,115.57 215.51,-9.43 -34.49,-9.43

Small or netless copper shapes (teardrops, artwork), in the pictures only: 105 on Top, 107 on Bottom
